# KiCad board middle.kicad_pcb (continued)
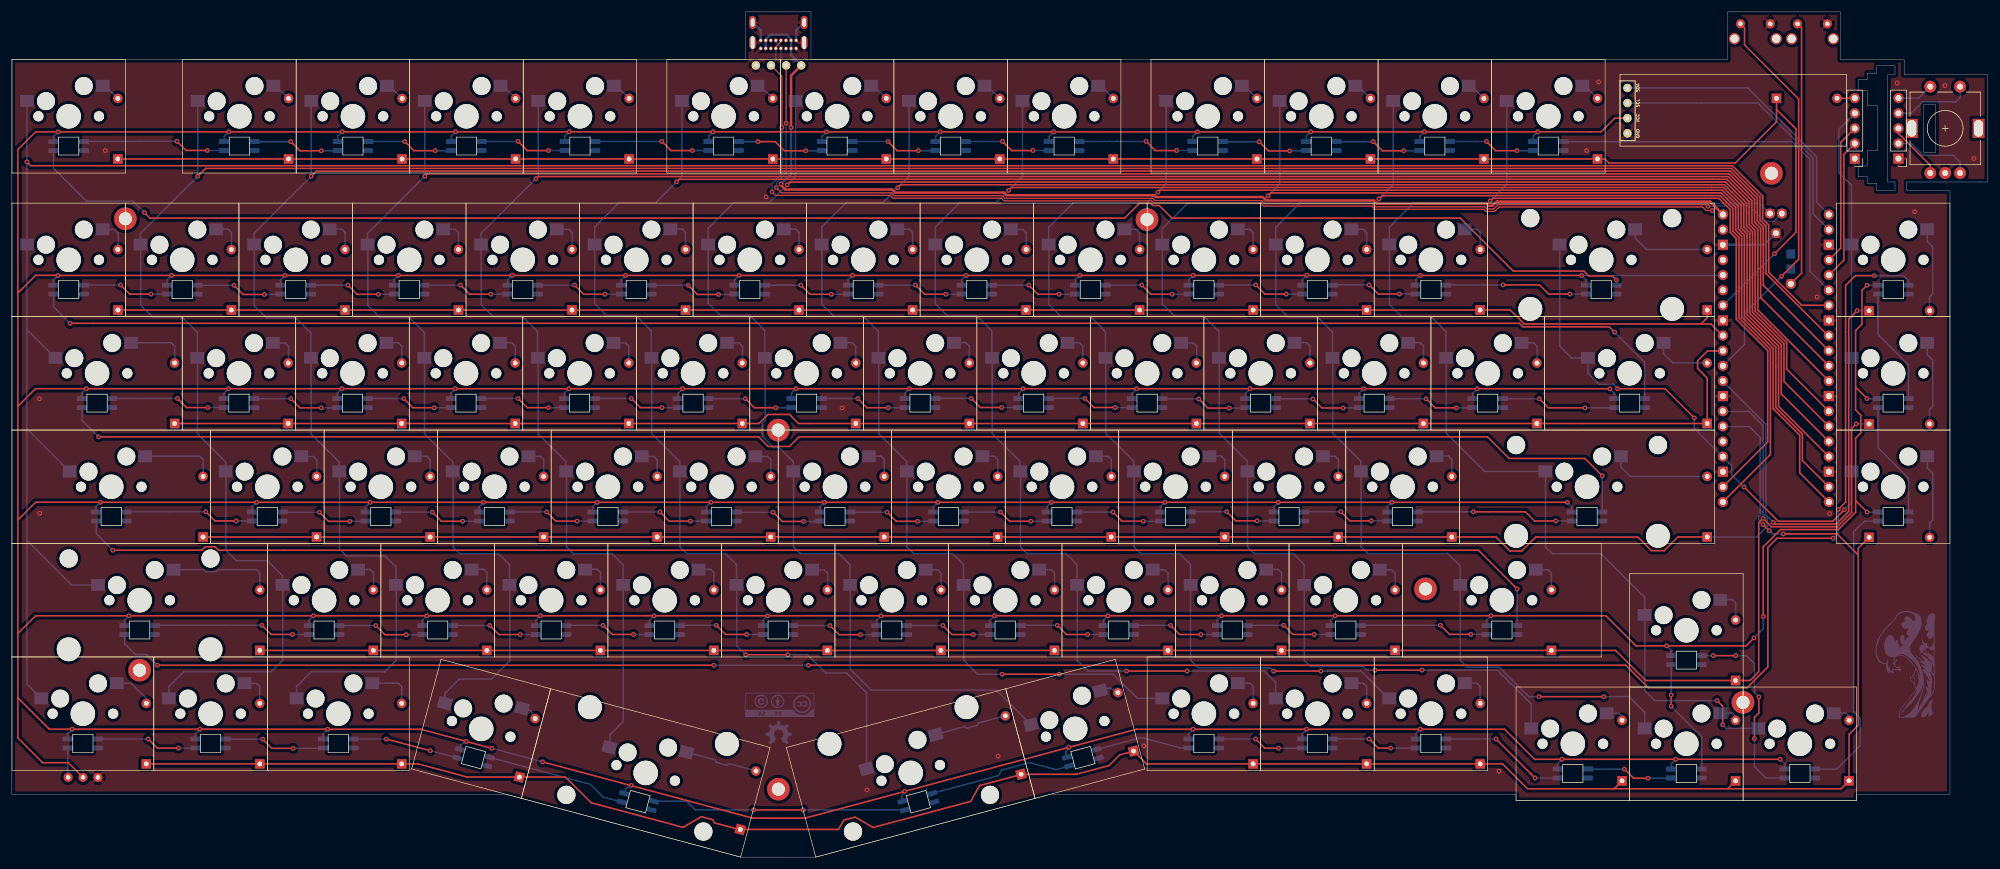
[diagram p0: board, top side]
## Nets (continued)
col12: KA12.1 KB12.1 KC12.1 KD12.1 KE12.1 KF12.1 U0.22
col13: J3.4 KB13.1 KC13.1 KD13.1 KE13.1 KF13.1 U0.24
D+: JUSB1.A6 JUSB1.B6 JUSB2.2 U0.TP3
D-: JUSB1.A7 JUSB1.B7 JUSB2.3 U0.TP2
ENCA: J3.3 U0.4
ENCB: J3.2 U0.5
RESET: RSW0.1 U0.30
RGB_Matrix: KA12.6 U0.6
RGB_Out: J4.1 KF0.4
row00: DA0.1 DA1.1 DA2.1 DA3.1 DA4.1 DA5.1 DA6.1 DA7.1 DA8.1 DA9.1 DA10.1 DA11.1 DA12.1 DA13.1 U0.34
row01: DB0.1 DB1.1 DB2.1 DB3.1 DB4.1 DB5.1 DB6.1 DB7.1 DB8.1 DB9.1 DB10.1 DB11.1 DB12.1 DB13.1 U0.32
row02: DC0.1 DC1.1 DC2.1 DC3.1 DC4.1 DC5.1 DC6.1 DC7.1 DC8.1 DC9.1 DC10.1 DC11.1 DC12.1 DC13.1 U0.31
row03: DD0.1 DD1.1 DD2.1 DD3.1 DD4.1 DD5.1 DD6.1 DD7.1 DD8.1 DD9.1 DD10.1 DD11.1 DD12.1 DD13.1 U0.29
row04: DE0.1 DE1.1 DE2.1 DE3.1 DE4.1 DE5.1 DE6.1 DE7.1 DE8.1 DE9.1 DE10.1 DE11.1 DE12.1 DE13.1 U0.27
row05: DF0.1 DF1.1 DF2.1 DF3.1 DF4.1 DF5.1 DF6.1 DF7.1 DF8.1 DF9.1 DF10.1 DF11.1 DF12.1 DF13.1 U0.26
SCL: J1.3 U0.2
SDA: J1.4 U0.1
Net-(DA0-Pad2): DA0.2 KA0.2
Net-(DA1-Pad2): DA1.2 KA1.2
Net-(DA2-Pad2): DA2.2 KA2.2
Net-(DA3-Pad2): DA3.2 KA3.2
Net-(DA4-Pad2): DA4.2 KA4.2
Net-(DA5-Pad2): DA5.2 KA5.2
Net-(DA6-Pad2): DA6.2 KA6.2
Net-(DA7-Pad2): DA7.2 KA7.2
Net-(DA8-Pad2): DA8.2 KA8.2
Net-(DA9-Pad2): DA9.2 KA9.2
Net-(DA10-Pad2): DA10.2 KA10.2
Net-(DA11-Pad2): DA11.2 KA11.2
Net-(DA12-Pad2): DA12.2 KA12.2
Net-(DB0-Pad2): DB0.2 KB0.2
Net-(DB1-Pad2): DB1.2 KB1.2
Net-(DB2-Pad2): DB2.2 KB2.2
Net-(DB3-Pad2): DB3.2 KB3.2
Net-(DB4-Pad2): DB4.2 KB4.2
Net-(DB5-Pad2): DB5.2 KB5.2
Net-(DB6-Pad2): DB6.2 KB6.2
Net-(DB7-Pad2): DB7.2 KB7.2
Net-(DB8-Pad2): DB8.2 KB8.2
Net-(DB9-Pad2): DB9.2 KB9.2
Net-(DB10-Pad2): DB10.2 KB10.2
Net-(DB11-Pad2): DB11.2 KB11.2
Net-(DB12-Pad2): DB12.2 KB12.2
Net-(DB13-Pad2): DB13.2 KB13.2
Net-(DC0-Pad2): DC0.2 KC0.2
Net-(DC1-Pad2): DC1.2 KC1.2
Net-(DC2-Pad2): DC2.2 KC2.2
Net-(DC3-Pad2): DC3.2 KC3.2
Net-(DC4-Pad2): DC4.2 KC4.2
Net-(DC5-Pad2): DC5.2 KC5.2
Net-(DC6-Pad2): DC6.2 KC6.2
Net-(DC7-Pad2): DC7.2 KC7.2
Net-(DC8-Pad2): DC8.2 KC8.2
Net-(DC9-Pad2): DC9.2 KC9.2
Net-(DC10-Pad2): DC10.2 KC10.2
Net-(DC11-Pad2): DC11.2 KC11.2
Net-(DC12-Pad2): DC12.2 KC12.2
Net-(DC13-Pad2): DC13.2 KC13.2
Net-(DD0-Pad2): DD0.2 KD0.2
Net-(DD1-Pad2): DD1.2 KD1.2
Net-(DD2-Pad2): DD2.2 KD2.2
Net-(DD3-Pad2): DD3.2 KD3.2
Net-(DD4-Pad2): DD4.2 KD4.2
Net-(DD5-Pad2): DD5.2 KD5.2
Net-(DD6-Pad2): DD6.2 KD6.2
Net-(DD7-Pad2): DD7.2 KD7.2
Net-(DD8-Pad2): DD8.2 KD8.2
Net-(DD9-Pad2): DD9.2 KD9.2
Net-(DD10-Pad2): DD10.2 KD10.2
Net-(DD11-Pad2): DD11.2 KD11.2
Net-(DD12-Pad2): DD12.2 KD12.2
Net-(DD13-Pad2): DD13.2 KD13.2
Net-(DE0-Pad2): DE0.2 KE0.2
Net-(DE1-Pad2): DE1.2 KE1.2
Net-(DE2-Pad2): DE2.2 KE2.2
Net-(DE3-Pad2): DE3.2 KE3.2
Net-(DE4-Pad2): DE4.2 KE4.2
Net-(DE5-Pad2): DE5.2 KE5.2
Net-(DE6-Pad2): DE6.2 KE6.2
Net-(DE7-Pad2): DE7.2 KE7.2
Net-(DE8-Pad2): DE8.2 KE8.2
Net-(DE9-Pad2): DE9.2 KE9.2
Net-(DE10-Pad2): DE10.2 KE10.2
Net-(DE11-Pad2): DE11.2 KE11.2
Net-(DE12-Pad2): DE12.2 KE12.2
Net-(DE13-Pad2): DE13.2 KE13.2
Net-(DF0-Pad2): DF0.2 KF0.2
Net-(DF1-Pad2): DF1.2 KF1.2
Net-(DF2-Pad2): DF2.2 KF2.2
Net-(DF3-Pad2): DF3.2 KF3.2
Net-(DF4-Pad2): DF4.2 KF4.2
Net-(DF5-Pad2): DF5.2 KF5.2
Net-(DF6-Pad2): DF6.2 KF6.2
Net-(DF7-Pad2): DF7.2 KF7.2
Net-(DF8-Pad2): DF8.2 KF8.2
Net-(DF9-Pad2): DF9.2 KF9.2
Net-(DF10-Pad2): DF10.2 KF10.2
Net-(DF11-Pad2): DF11.2 KF11.2
Net-(DF12-Pad2): DF12.2 KF12.2
Net-(DF13-Pad2): DF13.2 KF13.2

Pads without a net: JUSB1 A5 A8 B5 B8; MountTopMiddle1 1; MountTopMiddle2 1; MountTopMiddle3 1; MountTopMiddle4 1; MountTopMiddle5 1; MountTopMiddle6 1; MountTopMiddle7 1; MountTopMiddle8 1; RSW0 3; RSW1 3; SWA13 MP; U0 25 35 37 39 TP4 TP5

## Via types
v1: diameter 0.8, hole 0.4, Top to Bottom, 310 vias

## Routing (per net, layer and track width the routed paths; a pad name or vN(x,y) marks a point on that pad's centre or on a via; arc(x,y) is an arc through that point)
+5V: length 193.7
  Top w0.4: JUSB2.4 130.75,131.21 130.75,122.5 v1(130.76,122.49) ; v1(129.08,113.01) 129.08,112.78 129.78,112.08 147.72,112.08 148.23,111.57 166.44,111.57 166.88,111.13 191.66,111.13 191.97,110.82 209.88,110.82 210.46,110.24 228.53,110.24 229.07,109.7 247.38,109.7 247.73,109.35 248.44,109.35 249.14,110.05 284.96,110.05 287.13,107.88
  Bottom w0.4: 130.75,135.77 130.75,137.29 ; JUSB1.A9 130.75,134.63 JUSB2.4 ; JUSB1.A4 126.5,137.29 127.27,138.07 129.99,138.07 130.75,137.31 ; v1(130.76,122.49) 130.76,114.69 v1(129.08,113.01)
GND: length 16.8
  Bottom w0.4: JUSB1.B1 131.59,138.79 132.94,140.13 ; 124.3,140.13 125.65,138.79 JUSB1.B12 ; U0.38 294.06,102.8 U0.TP1
  vias: v1(4.61,76.95) v1(4.67,57.73) v1(15.67,118.62) v1(126.56,110.84) v1(139.32,75.41) v1(143.49,11.29) v1(165.49,16.95) v1(189.94,18.67) v1(249.54,14.42) v1(264.25,118.62) v1(266.27,130.14) v1(302.93,94.03) v1(305.03,57.67) v1(316.37,129.98) v1(319.31,108.35) v1(324.36,129.52) v1(329.24,117.28)
VCC: length 2041.9
  Top w0.254: 0.99,75.67 3.96,78.64 12.48,78.64 v1(12.48,78.64) 268.14,78.64 v1(268.17,78.61) ; 260.99,59.57 v1(14.84,59.57) 14.84,59.57 3.98,59.57 1.01,56.6 ; v1(263.42,97.65) 263.41,97.66 v1(7.71,97.66) ; v1(149.81,11.04) 188.72,21.47 188.72,21.47 v1(198.21,21.47) 250.48,21.47 255.53,16.42 v1(260.11,16.42) 296.74,16.42 ; v1(311.32,76.98) 309.39,78.91 ; 309.39,78.91 309.39,75.08 310.26,74.21 310.26,71.2 309.39,70.33 309.39,59.85 ; 309.39,78.91 309.39,88.4 310.46,89.47 310.46,95.16 v1(311.32,96.02) ; 7.73,97.67 3.98,97.67 1.01,94.7 ; 53,21.48 v1(10.1,21.48) 6.27,21.48 1,26.75 ; v1(293.89,40.4) 293.89,52.09 296.79,54.99 306.48,54.99 306.48,54.99 309.39,57.9 309.39,59.85 ; 1,26.75 1,118.79 3.97,121.76 v1(7.73,121.76) 256.03,121.76 v1(256.04,121.77) 266.68,121.77 268.97,124.06 271.1,124.06 ; 1,26.75 1,20 5.15,15.85 9.46,15.85 J4.2 ; v1(52.99,21.47) 68.57,21.47 68.57,21.47 76.2,19.43 ; 103.91,12 124.26,6.55 124.26,6.55 133.09,6.55 149.83,11.03 ; 1.01,37.54 3.98,40.51 19.62,40.51 v1(19.63,40.52) 267.48,40.52 272.53,35.47 v1(277.68,35.47) 291.01,35.47 v1(292.34,36.8) ; 309.39,59.85 309.4,59.85 v1(311.32,57.93) ; v1(76.24,19.42) v1(80.53,18.27) ; v1(89.04,15.99) 103.94,12
  Bottom w0.254: v1(177.37,18.46) 176.84,17.54 177.07,16.67 ; v1(60.09,59.56) 59.34,58.82 59.34,57.92 ; 73.72,120.14 73.72,121.04 v1(74.47,121.78) ; v1(14.84,59.57) 14.09,58.82 14.09,57.92 ; 245.14,76.99 245.14,77.89 v1(245.89,78.63) ; 255.29,120.12 255.29,121.02 v1(256.04,121.77) ; v1(164.89,40.51) 164.14,39.76 164.14,38.86 ; 102.23,96.02 102.23,96.92 v1(102.98,97.66) ; v1(83.93,97.66) 83.18,96.92 83.18,96.02 ; v1(50.6,40.51) 49.85,39.76 49.85,38.86 ; v1(217.97,121.77) 217.22,121.03 217.22,120.13 ; 259.36,14.77 259.36,15.67 v1(260.11,16.42) ; 52.24,19.82 52.24,20.72 v1(52.99,21.47) ; 126.05,38.87 126.05,39.76 v1(126.8,40.51) ; v1(74.41,78.64) 73.66,77.9 73.66,77 ; 9.35,19.83 9.35,20.73 v1(10.1,21.48) ; v1(277.68,35.47) 278.43,34.72 278.43,33.82 ; 35.64,120.13 35.64,121.03 v1(36.39,121.77) ; 149.51,9.26 149.28,10.12 v1(149.81,11.04) ; KF13.3 311.32,57.92 v1(311.32,57.93) ; 130.82,76.99 130.82,77.89 v1(131.57,78.63) ; v1(261.02,59.56) 261.76,58.82 261.76,57.92 ; v1(117.66,121.76) 116.91,121.02 116.91,120.12 ; 78.39,57.93 78.39,58.83 v1(79.14,59.57) ; v1(155.74,121.77) 154.99,121.03 154.99,120.13 ; 221.29,38.86 221.29,39.76 v1(222.04,40.51) ; 197.48,96.03 197.48,96.93 v1(198.23,97.67) ; 178.45,96.03 178.45,96.93 v1(179.2,97.67) ; v1(69.63,40.51) 68.88,39.76 68.88,38.86 ; 135.56,57.92 135.56,58.82 v1(136.31,59.56) ; 297.5,14.77 297.5,15.67 v1(296.75,16.42) ; v1(117.28,59.56) 116.53,58.82 116.53,57.92 ; 268.91,76.97 268.91,77.87 v1(268.17,78.61) ; 183.17,38.86 183.17,39.76 v1(183.92,40.51) ; 140.31,96.03 140.31,96.93 v1(141.06,97.67) ; v1(188.74,78.63) 187.99,77.89 187.99,76.99 ; v1(88.68,40.51) 87.93,39.76 87.93,38.87 ; 40.31,57.92 40.31,58.82 v1(41.06,59.56) ; v1(36.33,78.63) 35.58,77.89 35.58,76.99 ; 102.77,10.64 103,11.51 v1(103.92,12.04) ; v1(112.54,78.63) 111.79,77.89 111.79,76.99 ; 106.99,38.87 106.99,39.76 v1(107.74,40.51) ; 287.12,97.65 v1(263.42,97.65) 264.16,96.91 264.16,96.01 ; v1(98.21,59.56) 97.46,58.82 97.46,57.92 ; 54.67,120.13 54.67,121.03 v1(55.42,121.77) ; 92.79,120.13 92.79,121.03 v1(93.54,121.77) ; v1(136.69,121.76) 135.94,121.02 135.94,120.12 ; 211.75,57.92 211.75,58.82 v1(212.5,59.56) ; v1(293.89,40.4) 293.89,38.35 v1(292.34,36.8) ; v1(226.82,78.64) 226.07,77.9 226.07,77 ; 64.11,96.03 64.11,96.93 v1(64.86,97.67) ; KE13.3 311.27,76.97 ; 207.02,76.99 207.02,77.89 v1(207.77,78.63) ; v1(7.73,121.76) 6.98,121.01 6.98,120.11 ; v1(174.43,59.56) 173.68,58.82 173.68,57.92 ; 154.61,57.93 154.61,58.83 v1(155.36,59.57) ; 235.6,96.03 235.6,96.93 v1(236.35,97.67) ; v1(248.22,40.52) 247.47,39.77 247.47,38.87 ; v1(198.21,21.47) 197.46,20.72 197.46,19.82 ; 75.09,18.02 75.32,18.89 v1(76.24,19.42) ; v1(217.28,97.68) 216.53,96.94 216.53,96.04 ; 149.87,77 149.87,77.9 v1(150.62,78.64) ; 278.46,14.77 278.46,15.67 v1(279.21,16.42) ; 198.19,120.13 198.19,121.03 v1(198.94,121.77) ; KE0.3 18.88,39.77 v1(19.63,40.52) ; 174.06,120.12 174.06,121.02 v1(174.81,121.76) ; v1(55.36,78.63) 54.61,77.89 54.61,76.99 ; v1(217.27,21.47) 216.52,20.72 216.52,19.82 ; 121.26,96.02 121.26,96.92 v1(122.01,97.66) ; 26.03,96.02 26.03,96.92 v1(26.78,97.66) ; 313.15,96.02 311.19,96.02 ; v1(237.02,121.78) 236.27,121.04 236.27,120.14 ; 202.22,38.87 202.22,39.77 v1(202.97,40.52) ; v1(231.55,59.57) 230.8,58.83 230.8,57.93 ; 6.96,96.01 6.96,96.91 v1(7.71,97.66) ; 92.73,76.99 92.73,77.89 v1(93.48,78.63) ; v1(45.81,97.66) 45.06,96.92 45.06,96.02 ; v1(193.47,59.56) 192.72,58.82 192.72,57.92 ; v1(145.84,40.51) 145.09,39.76 145.09,38.87 ; 235.59,19.83 235.59,20.73 v1(236.34,21.48) ; 168.94,76.99 168.94,77.89 v1(169.69,78.63) ; v1(80.53,18.27) v1(89.04,15.99) ; 159.38,96.02 159.38,96.92 v1(160.13,97.66) ; v1(12.48,78.64) 11.73,77.89 11.73,76.99 ; 30.81,19.82 30.81,20.72 v1(31.56,21.47)
/A: length 9.7
  Top w0.254: J2.3 316.58,121.48 321.92,116.14 SWA13.A
/B: length 13.7
  Bottom w0.254: SWA13.B 326.92,116.67 325.75,117.84 320.7,117.84 318.72,119.82 316.33,119.82
/IN_A0: length 24.3
  Top w0.254: v1(27.68,120.17) 29.22,118.64 v1(32.78,118.64)
  Bottom w0.254: v1(32.78,118.64) 35.5,118.64 ; 21.57,120.17 v1(27.68,120.17) ; 21.75,120.17 12,120.17
/IN_A1: length 14.6
  Top w0.254: v1(46.8,120.12) 48.33,118.58 v1(51.91,118.58)
  Bottom w0.254: 40.69,120.12 v1(46.8,120.12) ; v1(51.91,118.58) 54.62,118.58
/IN_A2: length 14.6
  Top w0.254: v1(65.93,120.14) 67.47,118.6 v1(71.03,118.6)
  Bottom w0.254: 59.82,120.14 v1(65.93,120.14) ; v1(71.03,118.6) 73.75,118.6
/IN_A3: length 14.6
  Top w0.254: v1(84.94,120.16) 86.47,118.62 v1(90.04,118.62)
  Bottom w0.254: v1(90.04,118.62) 92.76,118.62 ; 78.83,120.16 v1(84.94,120.16)
/IN_A4: length 19.6
  Top w0.254: v1(109.06,120.15) 110.59,118.62 v1(114.16,118.62)
  Bottom w0.254: v1(109.06,120.15) 97.88,120.15 ; v1(114.16,118.62) 116.88,118.62
/IN_A5: length 14.6
  Top w0.254: v1(125.2,120.12) 128.09,120.12 129.62,118.58 v1(133.19,118.58)
  Bottom w0.254: 121.98,120.12 v1(125.2,120.12) ; v1(133.19,118.58) 135.91,118.58
/IN_A6: length 14.6
  Top w0.254: v1(147.02,120.12) 148.54,118.6 v1(152.11,118.6)
  Bottom w0.254: v1(147.02,120.12) 147,120.14 140.9,120.14 ; v1(152.11,118.6) 154.83,118.6
/IN_A7: length 14.6
  Top w0.254: v1(171.34,118.62) 167.76,118.62 v1(166.23,120.16)
  Bottom w0.254: 160.12,120.16 v1(166.23,120.16) ; v1(171.34,118.62) 174.06,118.62
/IN_A8: length 19.6
  Top w0.254: v1(190.34,120.16) 191.87,118.62 v1(195.44,118.62)
  Bottom w0.254: v1(190.34,120.16) 179.15,120.16 ; v1(195.44,118.62) 198.16,118.62
/IN_A9: length 14.6
  Top w0.254: v1(209.31,120.1) 210.85,118.56 v1(214.42,118.56)
  Bottom w0.254: v1(214.42,118.56) 217.13,118.56 ; 203.2,120.1 v1(209.31,120.1)
/IN_A10: length 14.6
  Top w0.254: v1(228.44,120.12) 229.98,118.58 v1(233.55,118.58)
  Bottom w0.254: v1(233.55,118.58) 236.26,118.58 ; 222.33,120.12 v1(228.44,120.12)
/IN_A11: length 14.6
  Top w0.254: v1(252.56,118.6) 248.99,118.6 v1(247.45,120.14)
  Bottom w0.254: 241.34,120.14 v1(247.45,120.14) ; v1(252.56,118.6) 255.27,118.6
/IN_B0: length 14.6
  Top w0.254: v1(23.33,94.52) 19.76,94.52 v1(18.22,96.06)
  Bottom w0.254: 12.12,96.06 v1(18.22,96.06) ; v1(23.33,94.52) 26.05,94.52
/IN_B1: length 14.6
  Top w0.254: v1(42.36,94.46) 38.8,94.46 v1(37.26,96)
  Bottom w0.254: v1(42.36,94.46) 45.08,94.46 ; 31.15,96 v1(37.26,96)
/IN_B2: length 14.6
  Top w0.254: v1(56.39,96.02) 57.92,94.48 v1(61.5,94.48)
  Bottom w0.254: v1(61.5,94.48) 64.22,94.48 ; 50.28,96.02 v1(56.39,96.02)
/IN_B3: length 14.6
  Top w0.254: v1(75.28,96.04) 76.81,94.51 v1(80.38,94.51)
  Bottom w0.254: v1(80.38,94.51) 83.1,94.51 ; 69.17,96.04 v1(75.28,96.04)
/IN_B4: length 14.6
  Top w0.254: v1(94.41,96.04) 95.94,94.5 v1(99.51,94.5)
  Bottom w0.254: v1(99.51,94.5) 102.24,94.5 ; 88.3,96.04 v1(94.41,96.04)
/IN_B5: length 14.6
  Top w0.254: v1(118.59,94.46) 115.01,94.46 v1(113.48,96)
  Bottom w0.254: v1(118.59,94.46) 121.31,94.46 ; 107.37,96 v1(113.48,96)
/IN_B6: length 14.6
  Top w0.254: v1(137.5,94.48) 133.93,94.48 v1(132.4,96.02)
  Bottom w0.254: v1(137.5,94.48) 140.22,94.48 ; 126.29,96.02 v1(132.4,96.02)
/IN_B7: length 14.6
  Top w0.254: v1(151.62,96.04) 153.16,94.5 v1(156.72,94.5)
  Bottom w0.254: v1(156.72,94.5) 159.44,94.5 ; 145.51,96.04 v1(151.62,96.04)
/IN_B8: length 14.6
  Top w0.254: v1(175.74,94.5) 172.16,94.5 v1(170.63,96.04)
  Bottom w0.254: 164.52,96.04 v1(170.63,96.04) ; v1(175.74,94.5) 178.46,94.5
/IN_B9: length 14.6
  Top w0.254: v1(189.6,96.04) 191.13,94.5 v1(194.71,94.5)
  Bottom w0.254: v1(194.71,94.5) 197.43,94.5 ; 183.49,96.04 v1(189.6,96.04)
/IN_B10: length 14.6
  Top w0.254: v1(213.83,94.52) 210.26,94.52 v1(208.73,96.06)
  Bottom w0.254: v1(213.83,94.52) 216.56,94.52 ; 202.62,96.06 v1(208.73,96.06)
/IN_B11: length 14.6
  Top w0.254: 227.74,96.08 229.27,94.54 v1(232.85,94.54)
  Bottom w0.254: v1(232.85,94.54) 235.56,94.54 ; 221.63,96.08 227.74,96.08
  vias: v1(227.75,96.06)
/IN_B12: length 24.1
  Top w0.254: v1(261.44,94.53) 257.87,94.53 256.33,96.07 250.23,96.07
  Bottom w0.254: 250.23,96.07 240.71,96.07 ; v1(261.44,94.53) 264.16,94.53
  vias: v1(250.23,96.08)
/IN_B13: length 275.9
  Top w0.254: v1(22.24,108.19) 23.15,107.28 186.72,107.28 189.19,109.75 191.11,109.75 191.46,109.39 192.54,109.39 194.65,107.28 243.04,107.28 251.93,98.39 263.79,98.39 264.62,97.56 268.58,97.56 v1(269.25,96.89)
  Bottom w0.254: 269.25,96.02 v1(269.25,96.89) ; v1(22.24,108.19) 20.28,110.14 12.51,110.14 6.98,115.67 KA0.4
/IN_C0: length 19.4
  Top w0.254: v1(27.77,77.01) 29.31,75.47 v1(32.88,75.47)
  Bottom w0.254: 16.84,77.01 v1(27.77,77.01) ; v1(32.88,75.47) 35.6,75.47
/IN_C1: length 14.6
  Top w0.254: v1(51.91,75.42) 48.33,75.42 v1(46.8,76.96)
  Bottom w0.254: v1(51.91,75.42) 54.62,75.42 ; 40.69,76.96 v1(46.8,76.96)
/IN_C2: length 14.6
  Top w0.254: v1(70.85,75.45) 67.28,75.45 v1(65.75,76.98)
  Bottom w0.254: v1(70.85,75.45) 73.57,75.45 ; 59.64,76.98 v1(65.75,76.98)
/IN_C3: length 14.6
  Top w0.254: v1(84.96,76.98) 86.47,75.46 v1(90.04,75.46)
  Bottom w0.254: v1(84.96,76.98) 84.94,77 78.83,77 ; v1(90.04,75.46) 92.76,75.46
/IN_C4: length 14.6
  Top w0.254: v1(103.95,77) 105.49,75.46 v1(109.06,75.46)
  Bottom w0.254: 97.84,77 v1(103.95,77) ; v1(109.06,75.46) 111.78,75.46
/IN_C5: length 14.6
  Top w0.254: v1(123.07,76.97) 124.6,75.43 v1(128.18,75.43)
  Bottom w0.254: v1(128.18,75.43) 130.9,75.43 ; 116.96,76.97 v1(123.07,76.97)
/IN_C6: length 14.6
  Top w0.254: v1(147.05,75.45) 143.48,75.45 v1(141.94,76.98)
  Bottom w0.254: v1(147.05,75.45) 149.77,75.45 ; 135.84,76.98 v1(141.94,76.98)
/IN_C7: length 14.6
  Top w0.254: v1(166.09,75.48) 162.52,75.48 v1(160.99,77.01)
  Bottom w0.254: v1(166.09,75.48) 168.81,75.48 ; 154.88,77.01 v1(160.99,77.01)
/IN_C8: length 14.6
  Top w0.254: v1(185.15,75.48) 181.58,75.48 v1(180.04,77.01)
  Bottom w0.254: 173.94,77.01 v1(180.04,77.01) ; v1(185.15,75.48) 187.87,75.48
/IN_C9: length 14.6
  Top w0.254: v1(199.16,76.92) 200.69,75.38 v1(204.26,75.38)
  Bottom w0.254: 193.05,76.92 v1(199.16,76.92) ; v1(204.26,75.38) 206.99,75.38
/IN_C10: length 14.6
  Top w0.254: v1(223.39,75.4) 219.82,75.4 v1(218.32,76.91)
  Bottom w0.254: v1(218.32,76.91) 218.29,76.94 212.18,76.94 ; v1(223.39,75.4) 226.12,75.4
/IN_C11: length 14.6
  Top w0.254: v1(242.4,75.42) 238.83,75.42 237.3,76.96
  Bottom w0.254: v1(242.4,75.42) 245.12,75.42 ; 231.19,76.96 237.3,76.96
  vias: v1(237.32,76.94)
/IN_C12: length 19.3
  Top w0.254: v1(256.31,76.96) 257.85,75.42 263.98,75.42
  Bottom w0.254: 250.2,76.96 v1(256.31,76.96) ; v1(263.99,75.42) 268.89,75.42
/IN_C13: length 279.1
  Top w0.254: 268.96,88.12 268.05,89.03 253.56,89.03 252.97,89.62 v1(9.75,89.62)
  Bottom w0.254: v1(9.75,89.62) 6.98,92.39 6.98,94.52 ; 268.96,88.12 274.01,83.07 274.01,76.98
  vias: v1(268.96,88.13)
/IN_D0: length 21.7
  Top w0.254: v1(37.64,56.44) 34.07,56.44 v1(32.53,57.98)
  Bottom w0.254: v1(37.64,56.44) 40.36,56.44 ; v1(32.53,57.98) 19.26,57.98
/IN_D1: length 14.6
  Top w0.254: v1(51.6,57.9) 53.14,56.36 v1(56.7,56.36)
  Bottom w0.254: v1(56.7,56.36) 59.42,56.36 ; 45.49,57.9 v1(51.6,57.9)
/IN_D2: length 14.6
  Top w0.254: v1(75.64,56.38) 72.07,56.38 v1(70.53,57.92)
  Bottom w0.254: v1(75.64,56.38) 78.36,56.38 ; 64.43,57.92 v1(70.53,57.92)
/IN_D3: length 14.6
  Top w0.254: v1(94.84,56.4) 91.28,56.4 v1(89.74,57.94)
  Bottom w0.254: 83.63,57.94 v1(89.74,57.94) ; v1(94.84,56.4) 97.56,56.4
/IN_D4: length 14.6
  Top w0.254: v1(113.85,56.4) 110.28,56.4 v1(108.75,57.94)
  Bottom w0.254: 102.64,57.94 v1(108.75,57.94) ; v1(113.85,56.4) 116.57,56.4
/IN_D5: length 14.6
  Top w0.254: v1(127.74,57.89) 129.28,56.35 v1(132.84,56.35)
  Bottom w0.254: v1(132.84,56.35) 135.56,56.35 ; 121.63,57.89 v1(127.74,57.89)
/IN_D6: length 14.6
  Top w0.254: v1(146.87,57.91) 148.41,56.37 v1(151.97,56.37)
  Bottom w0.254: v1(151.97,56.37) 154.69,56.37 ; 140.76,57.91 v1(146.87,57.91)
/IN_D7: length 14.6
  Top w0.254: v1(170.99,56.39) 167.41,56.39 v1(165.88,57.93)
  Bottom w0.254: v1(170.99,56.39) 173.71,56.39 ; 159.77,57.93 v1(165.88,57.93)
/IN_D8: length 14.6
  Top w0.254: v1(184.75,57.93) 186.28,56.39 v1(189.85,56.39)
  Bottom w0.254: v1(189.85,56.39) 192.57,56.39 ; 178.64,57.93 v1(184.75,57.93)
/IN_D9: length 14.6
  Top w0.254: v1(208.96,56.45) 205.39,56.45 v1(203.85,57.98)
  Bottom w0.254: 197.75,57.98 v1(203.85,57.98) ; v1(208.96,56.45) 211.68,56.45
/IN_D10: length 14.6
  Top w0.254: v1(223.01,57.97) 224.55,56.44 v1(228.12,56.44)
  Bottom w0.254: v1(228.12,56.44) 230.84,56.44 ; 216.91,57.97 v1(223.01,57.97)
/IN_D11: length 26.5
  Top w0.254: v1(259.07,56.43) 255.5,56.43 253.96,57.97 v1(245.24,57.97)
  Bottom w0.254: v1(259.07,56.43) 261.79,56.43 ; v1(245.24,57.97) 235.93,57.97
/IN_D12: length 268.5
  Top w0.254: v1(14.55,70.56) 125.3,70.56 126.92,68.94 130.46,68.94 132.08,70.56 247.61,70.56 251.24,66.93 263.96,66.93 v1(266.88,64.01)
  Bottom w0.254: v1(14.55,70.56) 11.77,73.33 11.77,75.46 ; v1(266.88,64.01) 266.88,57.95
/IN_D13: length 369.1
  Top w0.254: v1(133.66,32.21) 270.83,32.21 274.61,28.43 291.18,28.43 294.66,31.91 294.66,51.98 296.21,53.53 v1(305.62,53.53) ; v1(24.41,32.21) v1(117.79,32.21) ; v1(312.54,97.62) 309.35,97.62 307.71,95.98 307.71,59.59 v1(306.49,58.37)
  Bottom w0.254: KE0.4 18.88,35.84 20.72,34 22.62,34 v1(24.41,32.21) ; v1(312.54,97.62) 317.41,97.62 318.25,96.78 318.25,96.02 ; v1(306.49,58.37) 306.49,54.4 v1(305.62,53.53) ; v1(117.79,32.21) v1(133.66,32.21)
/IN_E0: length 26.6
  Top w0.254: v1(47.07,37.38) 43.5,37.38 v1(41.97,38.92)
  Bottom w0.254: v1(47.07,37.38) 49.79,37.38 ; 35.95,38.92 23.97,38.92 ; 35.86,38.92 v1(41.97,38.92)
/IN_E1: length 14.6
  Top w0.254: v1(61.06,38.87) 62.59,37.34 v1(66.16,37.34)
  Bottom w0.254: 54.95,38.87 v1(61.06,38.87) ; v1(66.16,37.34) 68.88,37.34
/IN_E2: length 14.6
  Top w0.254: v1(85.29,37.36) 81.72,37.36 v1(80.19,38.89)
  Bottom w0.254: v1(85.29,37.36) 88.01,37.36 ; 74.08,38.89 v1(80.19,38.89)
/IN_E3: length 14.6
  Top w0.254: v1(104.3,37.38) 100.73,37.38 v1(99.19,38.91)
  Bottom w0.254: 93.09,38.91 v1(99.19,38.91) ; v1(104.3,37.38) 107.02,37.38
/IN_E4: length 14.6
  Top w0.254: v1(123.31,37.38) 119.74,37.38 v1(118.21,38.91)
  Bottom w0.254: 112.1,38.91 v1(118.21,38.91) ; v1(123.31,37.38) 126.03,37.38
/IN_E5: length 14.6
  Top w0.254: v1(142.38,37.33) 138.81,37.33 v1(137.28,38.87)
  Bottom w0.254: 131.17,38.87 v1(137.28,38.87) ; v1(142.38,37.33) 145.1,37.33
/IN_E6: length 14.6
  Top w0.254: v1(161.32,37.36) 157.75,37.36 v1(156.22,38.89)
  Bottom w0.254: v1(161.32,37.36) 164.04,37.36 ; 150.11,38.89 v1(156.22,38.89)
/IN_E7: length 14.6
  Top w0.254: v1(175.42,38.91) 176.96,37.37 v1(180.53,37.37)
  Bottom w0.254: 169.31,38.91 v1(175.42,38.91) ; v1(180.53,37.37) 183.25,37.37
/IN_E8: length 14.6
  Top w0.254: v1(194.44,38.9) 195.97,37.37 v1(199.53,37.37)
  Bottom w0.254: v1(194.44,38.9) 194.43,38.91 188.32,38.91 ; v1(199.53,37.37) 202.25,37.37
/IN_E9: length 14.6
  Top w0.254: v1(218.53,37.38) 214.96,37.38 v1(213.42,38.92)
  Bottom w0.254: v1(218.53,37.38) 221.25,37.38 ; 207.31,38.92 v1(213.42,38.92)
/IN_E10: length 21.8
  Top w0.254: v1(239.71,38.93) 241.25,37.39 v1(244.82,37.39)
  Bottom w0.254: v1(239.71,38.93) 226.39,38.93 ; v1(244.82,37.39) 247.54,37.39
/IN_E11: length 251
  Top w0.254: v1(16.92,51.52) 31.88,51.52 32.46,52.1 34.11,52.1 34.69,51.52 246.1,51.52 v1(252.59,45.03)
  Bottom w0.254: 14.15,56.42 14.15,54.29 v1(16.92,51.52) ; v1(252.59,45.03) 252.59,38.89
/IN_E12: length 33.2
  Top w0.254: v1(285.5,33.82) v1(289.27,33.82) ; v1(292.41,19.88) 292.41,23.45 293.15,24.19 v1(293.15,26.91)
  Bottom w0.254: 297.5,13.29 294.33,13.29 292.41,15.21 v1(292.41,19.88) ; v1(289.27,33.82) 291.06,33.82 292.41,32.47 292.41,27.65 v1(293.15,26.91) ; KE12.6 v1(285.5,33.82)
/IN_E13: length 19.7
  Bottom w0.254: KE13.6 318.25,82.67 313.15,87.77 313.15,94.53
/IN_F0: length 16.9
  Top w0.254: v1(22.86,19.82) 24.39,18.3 v1(27.96,18.3)
  Bottom w0.254: KF0.6 v1(22.86,19.82) ; v1(27.96,18.3) 30.68,18.3
/IN_F1: length 16.9
  Top w0.254: v1(47.18,18.26) 43.61,18.26 v1(42.08,19.79)
  Bottom w0.254: v1(47.18,18.26) 52.23,18.26 ; 35.97,19.79 v1(42.08,19.79)
/IN_F2: length 18
  Top w0.254: 62.82,19.82 v1(70.2,17.86)
  Bottom w0.254: v1(70.2,17.86) 74.87,16.63 ; KF2.6 62.81,19.82
  vias: v1(62.82,19.8)
/IN_F3: length 23.9
  Bottom w0.254: 80.11,16.76 88.62,14.48 ; 99.26,10.06 102.44,9.21 ; 99.22,10.07 97.09,12.21 88.58,14.49
/IN_F4: length 42.7
  Top w0.254: v1(132.76,7.92) v1(124.49,7.92)
  Bottom w0.254: 107.71,9.37 113.27,9.37 114.72,7.92 v1(124.49,7.92) ; KF5.4 v1(132.76,7.92)
/IN_F5: length 24.4
  Bottom w0.254: 165.53,13.67 154.39,10.69 ; 175.18,14.68 170.78,15.86 ; 165.53,13.68 166.06,14.6 ; 177.44,15.29 175.18,14.68 ; 170.78,15.87 166.06,14.6
/IN_F6: length 15.9
  Bottom w0.254: 189.53,20.08 182.05,18.07 ; 196.08,18.33 189.54,20.08 ; 197.44,18.33 196.08,18.33
/IN_F7: length 14.6
  Top w0.254: v1(212.55,18.29) 210.24,18.29 v1(208.7,19.82)
  Bottom w0.254: v1(208.7,19.82) 202.6,19.82 ; v1(212.55,18.29) 216.53,18.29
/IN_F8: length 14.6
  Top w0.254: v1(227.75,19.83) 229.29,18.3 v1(231.36,18.3)
  Bottom w0.254: v1(231.36,18.3) 235.58,18.3 ; v1(227.75,19.83) 221.65,19.83
/IN_F9: length 21.4
  Top w0.254: v1(255.59,13.28) v1(249.05,19.82)
  Bottom w0.254: KF9.6 v1(249.05,19.82) ; v1(255.59,13.28) 259.4,13.28
/IN_F10: length 14.6
  Top w0.254: v1(270.6,14.77) 272.13,13.24 v1(274.55,13.24)
  Bottom w0.254: v1(274.55,13.24) 278.42,13.24 ; KF10.6 v1(270.6,14.77)
/IN_F11: length 19.7
  Top w0.254: v1(278.44,27.22) v1(278.44,25.32)
  Bottom w0.254: v1(278.44,25.32) 283.55,20.21 283.55,14.79 ; KE12.4 278.44,27.22 v1(278.44,27.22)
/IN_F12: length 50.4
  Bottom w0.254: 302.59,14.77 306.22,14.77 310.14,18.69 310.14,23.32 309.06,24.4 309.06,54.61 310.88,56.42 KF13.4
/IN_F13: length 19.7
  Bottom w0.254: 318.26,57.91 318.26,63.6 313.16,68.7 313.16,75.46
/S1: length 13.5
  Bottom w0.254: SWA13.S1 326.92,127.52 326.2,126.8 320.64,126.8 318.73,124.89 316.34,124.89
/S2: length 6.4
  Bottom w0.254: 316.34,127.43 319.99,127.43 321.92,129.36
/SW99B: length 3
  Top w0.254: DA13.2 309.25,127.4
BOOTSEL: length 44.7
  Top w0.254: U0.TP6 300.32,98.06 300.32,139.21 299.64,139.89
col00: length 452.4
  Top w0.254: U0.7 300.36,92.64 294.81,98.19 294.81,106.14 293.8,107.15 293.8,111 288.72,116.08 3.15,116.08 v1(2.52,116.7)
  Bottom w0.254: 2.52,71.91 9.67,64.76 KD0.1 ; 2.52,71.91 2.52,88.58 ; 2.52,71.91 2.52,53.17 ; 2.52,53.17 2.52,29.05 4.91,26.66 ; 2.52,53.17 9.98,45.7 KE0.1 ; 2.52,88.58 7.29,83.81 ; 2.52,88.58 2.52,102.86 2.52,102.86 v1(2.52,116.7) KA0.1
col01: length 429.2
  Top w0.254: v1(31.17,114.3) 32.5,115.63 288.53,115.63 293.35,110.81 293.35,106.96 294.36,105.95 294.36,97.98 294.36,97.97 304.77,87.56 U0.9
  Bottom w0.254: 21.58,102.84 21.58,104.71 v1(31.17,114.3) KA1.1 ; KE1.1 45.39,47.23 42.87,49.75 37.68,49.75 35.92,51.51 35.92,64.69 ; KF1.1 26.34,28.61 28.86,31.13 43.53,31.13 45.44,33.04 45.44,45.69 ; 31.1,83.71 31.1,88.12 28.56,90.66 23.64,90.66 21.61,92.69 21.61,102.75 ; KD1.1 35.86,66.34 31.14,71.06 31.14,83.71
col02: length 410.3
  Top w0.254: v1(50.22,114.3) 51.09,115.17 288.35,115.17 292.89,110.62 292.89,106.77 293.9,105.76 293.9,105.44 293.9,105.44 293.9,96.02 293.9,96.02 U0.10
  Bottom w0.254: KF2.1 47.77,28.65 50.25,31.12 62.58,31.12 64.49,33.04 ; 64.45,45.71 64.45,48.72 62.61,50.56 56.09,50.56 54.97,51.68 54.97,64.69 ; 40.65,102.81 40.65,104.73 v1(50.22,114.3) 50.22,126.95 ; 50.19,83.71 50.19,71.06 54.91,66.34 KD2.1 ; 64.49,33.04 64.49,45.69 ; 40.68,102.61 40.68,92.55 42.71,90.52 47.63,90.52 50.17,87.98 50.17,83.57
col03: length 386.9
  Top w0.254: v1(69.28,114.3) 69.68,114.71 288.16,114.71 292.44,110.44 292.44,106.59 293.45,105.58 293.45,105.11 293.45,105.11 293.45,93.94 293.44,93.93 U0.11
  Bottom w0.254: KA3.1 v1(69.28,114.3) 59.66,104.69 59.66,102.86 ; 74.02,52.04 75.14,50.92 81.66,50.92 83.47,49.11 ; 83.5,49.08 83.5,46.07 ; 74.02,52.04 74.02,64.69 ; KD3.1 73.96,66.34 69.24,71.06 69.24,83.71 ; 83.54,45.69 83.54,32.97 80.46,29.89 75.07,29.89 72.66,27.48 72.66,25.85 ; 69.21,83.64 69.21,88.06 66.67,90.6 61.75,90.6 59.72,92.63 59.72,102.68
col04: length 371
  Top w0.254: U0.12 292.99,91.85 292.99,105.39 291.98,106.4 291.98,110.25 287.98,114.26 88.28,114.26 v1(87.93,113.9)
  Bottom w0.254: 88.29,83.71 88.29,71.06 93.01,66.34 KD4.1 ; 102.55,49.09 102.55,46.08 ; 78.73,102.86 78.73,104.71 v1(87.93,113.9) 88.32,114.3 88.32,126.95 ; 100.39,18.27 100.39,20.6 102.59,22.8 102.59,45.69 ; 93.07,52.05 94.19,50.93 100.71,50.93 102.52,49.12 ; 88.21,83.81 88.21,88.23 85.67,90.77 80.75,90.77 78.72,92.8 78.72,102.85 ; 93.07,52.04 93.07,64.69
col05: length 377.3
  Top w0.254: U0.14 297.82,81.94 297.82,86.38 292.54,91.66 292.54,105.2 291.53,106.21 291.53,110.06 287.79,113.8 111.97,113.8 v1(111.53,113.37) ; v1(130.2,33.97) v1(123.14,33.97)
  Bottom w0.254: 97.81,102.88 97.81,105.8 101.89,109.88 108.04,109.88 v1(111.53,113.37) 112.44,114.27 112.44,126.92 ; 133.51,33.97 v1(130.2,33.97) ; 112.1,52.08 112.1,64.73 ; 121.55,49.15 119.74,50.96 113.22,50.96 112.1,52.08 ; 97.8,102.96 97.8,92.91 99.83,90.88 104.75,90.88 107.29,88.34 107.29,83.92 ; v1(123.14,33.97) 123.14,33.97 121.63,35.48 121.63,45.68 ; 121.58,49.12 121.58,46.11 ; KD5.1 112.06,66.38 107.35,71.09 107.35,83.74 ; 133.51,33.97 136.56,30.91 140.07,30.91 143.4,27.59 KF5.1
col06: length 361.9
  Top w0.254: v1(130.1,112.88) 130.56,113.34 287.58,113.34 291.08,109.84 291.08,106.01 292.08,105.01 292.08,91.47 297.37,86.19 297.37,79.85 U0.15
  Bottom w0.254: 131.15,52.08 132.27,50.96 138.79,50.96 140.6,49.15 ; 140.63,49.12 140.63,46.11 ; 140.68,45.68 140.68,31.56 144.21,28.03 165.2,28.03 171,22.23 ; 126.33,83.99 126.33,88.41 123.79,90.95 118.87,90.95 116.84,92.98 116.84,103.03 ; 131.49,126.92 131.49,114.27 v1(130.1,112.88) 127.07,109.85 127.07,109.83 121.09,109.83 116.83,105.57 116.83,102.86 ; 131.15,52.08 131.15,64.73 ; KD6.1 131.11,66.38 128.75,68.75 127.81,68.75 125.9,70.66 125.9,72.83 126.4,73.33 126.4,83.74
col07: length 344.7
  Top w0.254: v1(148.64,112.38) 149.14,112.88 287.39,112.88 290.62,109.65 290.62,105.82 291.63,104.81 291.63,91.29 296.91,86 296.91,77.77 U0.16 ; v1(175.76,30.7) v1(166.18,30.7)
  Bottom w0.254: v1(166.18,30.7) 162.06,30.7 159.73,33.03 159.73,45.68 ; 135.91,102.88 135.91,105.8 139.99,109.88 146.15,109.88 v1(148.64,112.38) 150.54,114.28 ; 159.65,49.15 157.84,50.96 151.32,50.96 150.2,52.08 ; KF7.1 188.87,26.65 184.82,30.7 v1(175.76,30.7) ; 150.2,52.08 150.2,64.73 ; KD7.1 150.16,66.38 145.45,71.09 145.45,83.74 ; 150.54,114.27 150.54,126.92 ; 145.4,83.85 145.4,88.27 142.86,90.81 137.94,90.81 135.91,92.84 135.91,102.89 ; 159.68,49.12 159.68,46.11
